# Altium PCB Graviton_11JAN15.PcbDoc (part 5 of 11)
Units mil, origin at the board's own origin, x right, y up, seen from the top; angles counter-clockwise.
Board outline 7874.02 x 7874.02 mil, 10 copper layers (Top Layer, Internal Plane 2, Signal Layer 2, Internal Plane 3, Signal Layer 4, Signal Layer 5, Internal Plane 4, Signal Layer 7, Internal Plane 1, Bottom Layer), stack 78.455 mil thick; 1275 components, 1501 nets, 7937 pads, 1712 vias.
Unrouted connection lines stored in the file: 273.
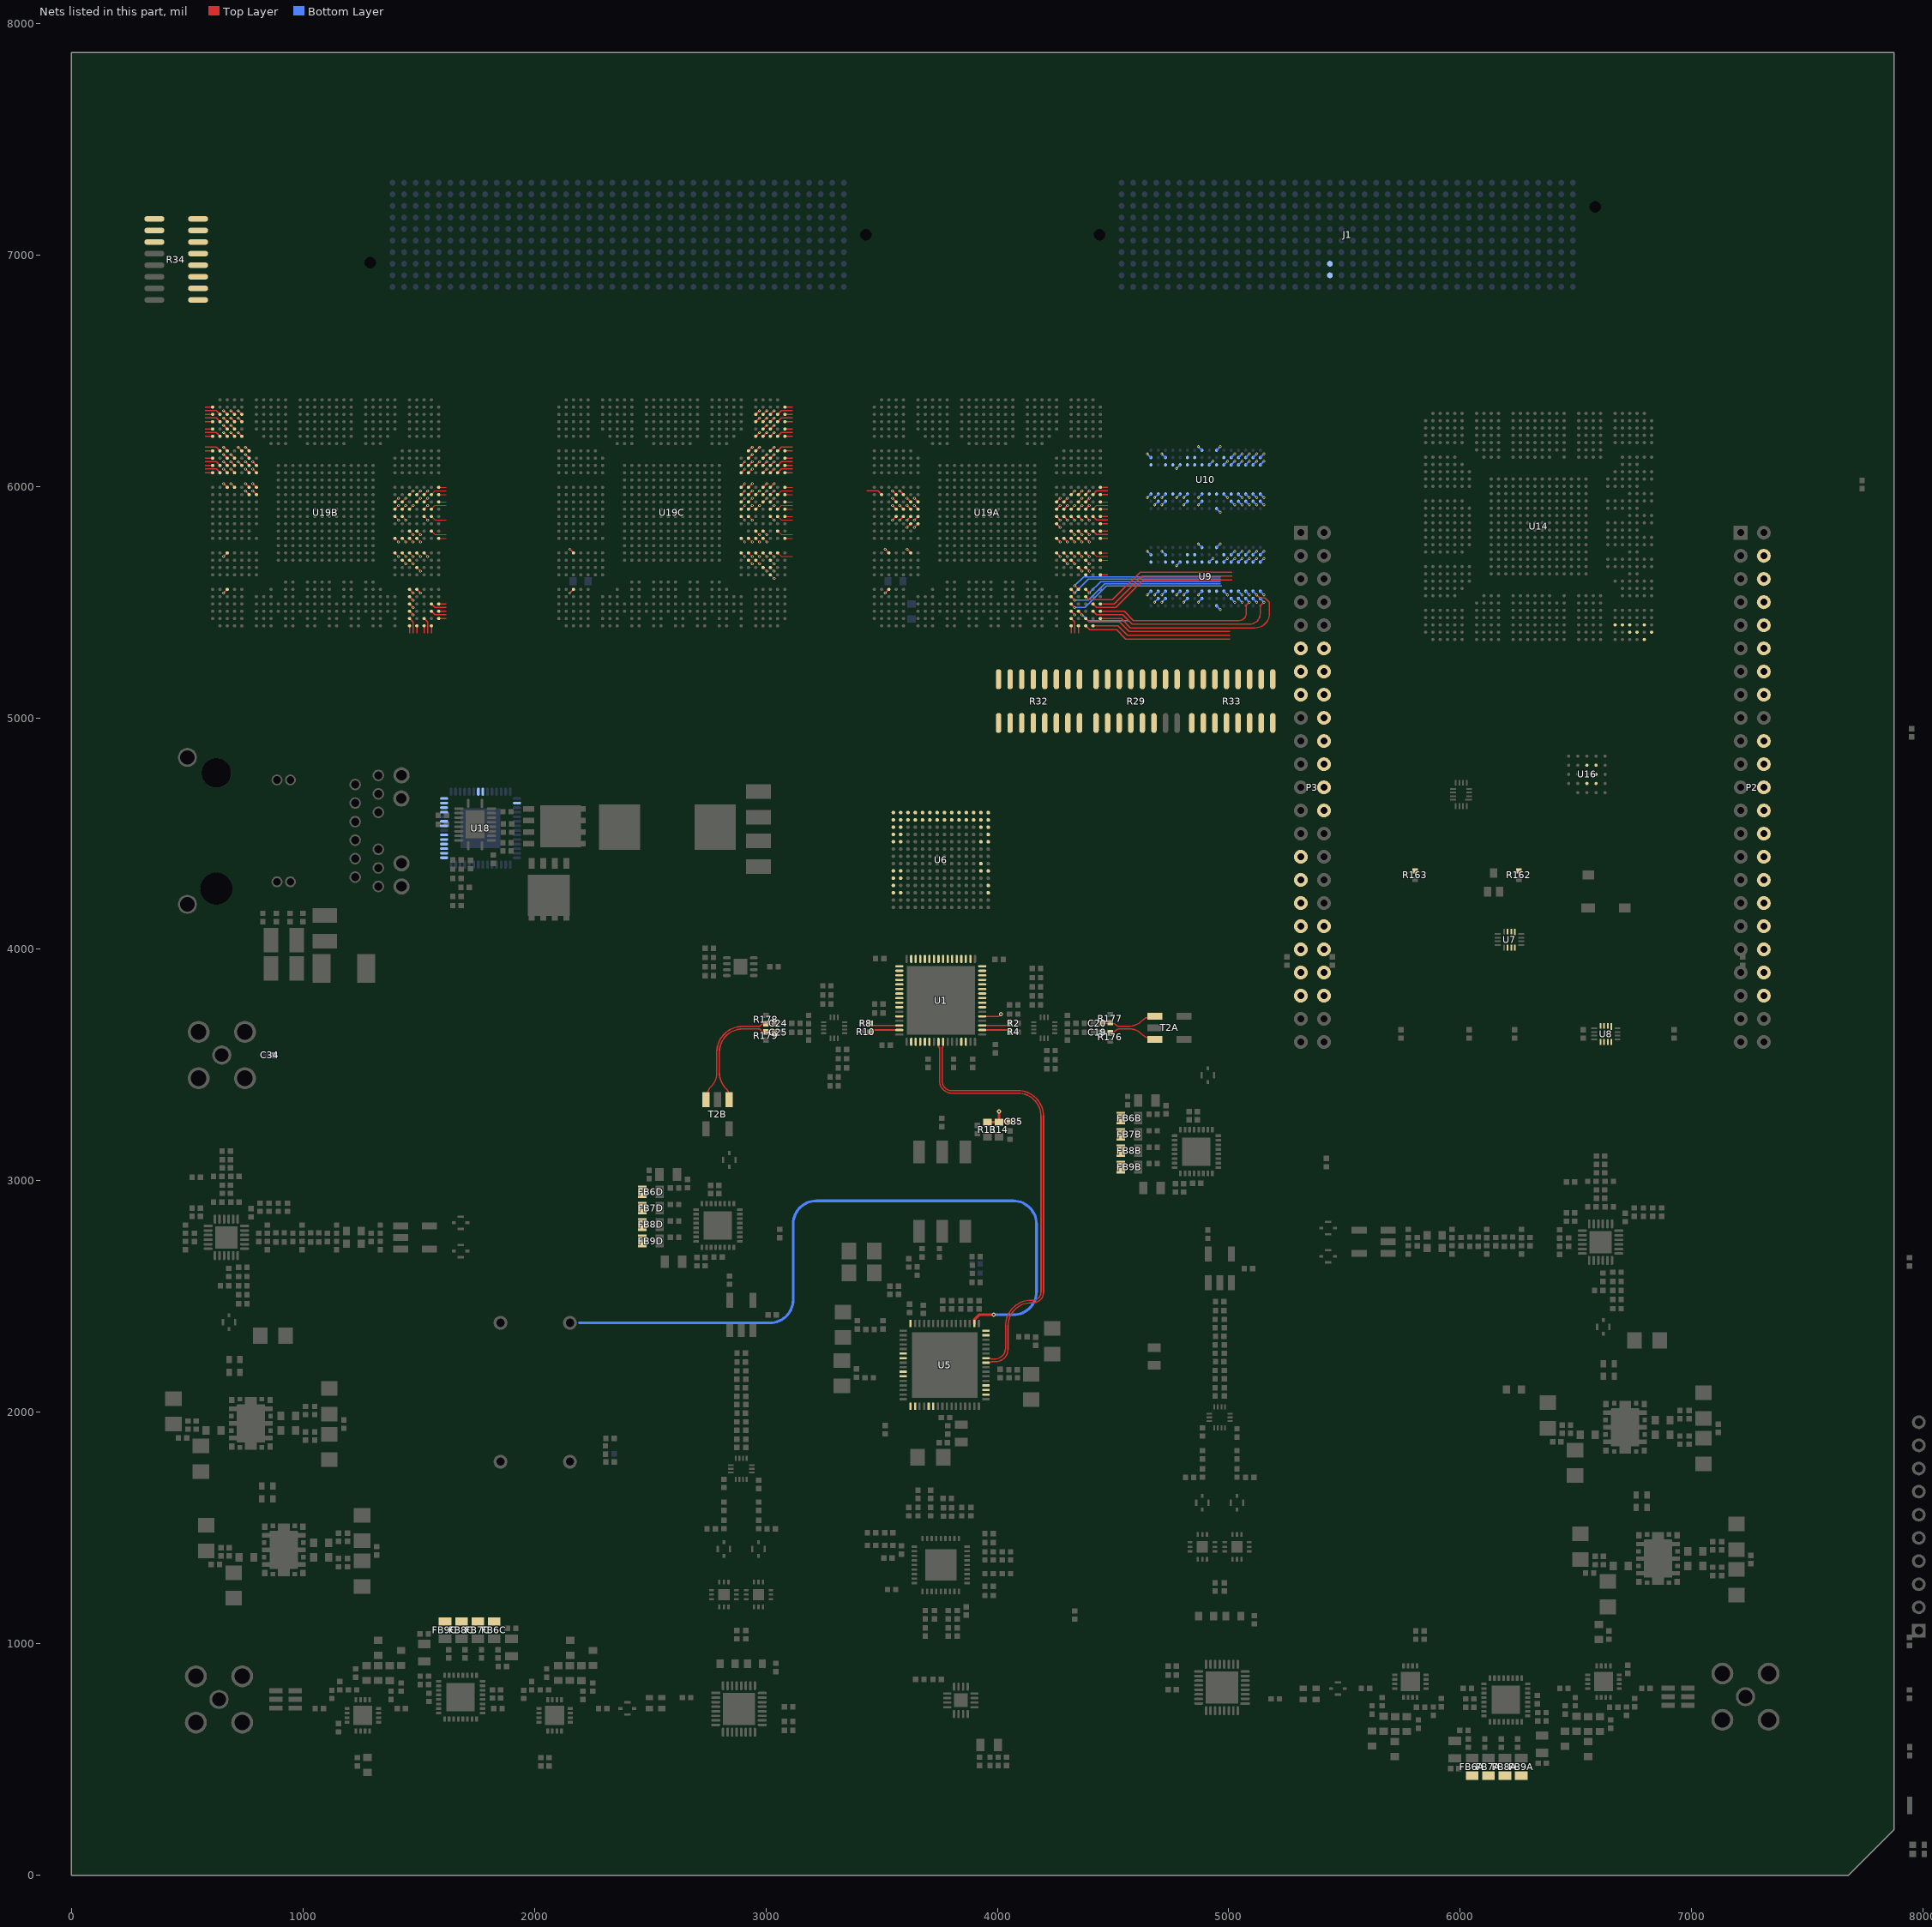
[diagram p12: the nets of this part, all layers, seen from the top]

## Part data
C48 C115 C116 C117 C118 C119 C120 C121 C122 C123 C124 C125 C127 C128 C129 C130 C131 C133 C134 C135 C138 C139 C140 C141 C142 C143 C144 C145 C146 C147 C148 C150 C151 C152 C153 C160 C162 C163 C164 C165 C167 C168 C169 C176 C177 C178 C179 C180 C181 C182 C183 C226A C226B C226C C228A C228B C228C C229A C229B C229C C230A C230B C230C C231A C231B C231C C232A C232B C232C C234A C234B C234C C235A C235B C235C C236A C236B C236C C237A C237B C237C C238A C238B C238C C240A C240B C240C C241A C241B C241C C242A C242B C242C C243A C243B C243C C245A C245B C245C C246A C246B C246C C248A C248B C248C C249A C249B C249C C250A C250B C250C C251A C251B C251C C253A C253B C253C C254A C254B C254C C256A C256B C256C C257A C257B C257C C258A C258B C258C C260A C260B C260C C261A C261B C261C C262A C262B C262C C263A C263B C263C C265A C265B C265C C266A C266B C266C C268A C268B C268C C269A C269B C269C C270A C270B C270C C271A C271B C271C C273A C273B C273C C274A C274B C274C C276A C276B C276C C277A C277B C277C C280A C280B C280C C281A C281B C281C C282A C282B C282C C283A C283B C283C C287A C287B C287C C288A C288B C288C C289A C289B C289C C290A C290B C290C C291A C291B C291C C292A C292B C292C C293A C293B C293C C294A C294B C294C: "CAP CER 0.1UF 10V 10% X7R 0402"
C78: library part CAP, "Ceramic Capacitor 10uF +/-20% 16V X5R 0805"
C126 C132 C149 C155: library part CAP_4.7uF_X5R_6.3V_10%_0603, "CAP CER 10UF 10V Y5V 0805"
C156 C157 C158 C159 C194A C194B C194C C194D C195A C195B C195C C195D C196A C196B C196C C196D C197A C197B C197C C197D C198A C198B C198C C198D C199A C199B C199C C199D C309 C310 C311 C312 C329 C330 C333 C334 C335 C340 C344 C345 C346 C347 C379A C379B C380A C380B C382A C382B C382C C382D C383A C383B C383C C383D C384A C384B C384C C384D C385A C385B C385C C385D C386A C386B C386C C386D C387A C387B C387C C387D C445A C445B C445C C445D C448A C448B C448C C448D C452A C452B C452C C452D: library part CAP, "Ceramic Capacitor SMD"
C161 C166 C173 C174 C175 C227A C227B C227C C233A C233B C233C C239A C239B C239C C244A C244B C244C C247A C247B C247C C252A C252B C252C C255A C255B C255C C259A C259B C259C C264A C264B C264C C267A C267B C267C C272A C272B C272C C275A C275B C275C C284A C284B C284C C285A C285B C285C C286A C286B C286C: "CAP CER 2.2UF 10V 10% X7R 0603"
C321 C322 C323 C331 C332: "CAP 1210 4.7uF 100V X7S"
C324 C325 C326 C327 C336 C337 C338 C341 C342 C343 C355 C356 C357 C358 C359 C360 C361 C362 C369 C370 C371 C372 C373 C374 C375 C376: library part CAP, "Ceramic Capacitor 10uF +/-20% 6.3V X5R 0402"
C328 C364 C365 C378: library part CC0402JRNPO9BN330, "Capacitor 33pF +/-5% 50V NPO SMD 0402"
C354: library part "CAP SMD", "CAP CER 1000PF 16V 10% X7R 0402"
F1 F2 F3 F4 F5 F6 F7: library part "Fuse 1", "Fuse, Nano with holder"
FB1 FB4A FB4B FB4C FB4D FB5A FB5B FB5C FB5D FB6A FB6B FB6C FB6D FB7A FB7B FB7C FB7D FB8A FB8B FB8C FB8D FB9A FB9B FB9C FB9D FB10 FB11A FB11B FB12A FB12B FB12C FB12D: library part INDUCTANCE1, "inductance"
J1 J2: "Terminal Array Assembly, Surface Mount, 0.050\" Pitch, 400 Pins"
J3 J4A J4B: library part 132136, "SMA Right Angle Connector COAX Female"
J5: "Gigabit Ethernet 35W PoE MAGJACK"
L1 L2 L3 L4 L5 L6 L7 L8 L9 L10 L11 L12 L13 L14 L15 L16 L17 L18 L19 L20A L20B L20C L21A L21B L21C L22A L22B L22C L23A L23B L23C L24A L24B L24C L25A L25B L25C L26A L26B L26C L27A L27B L27C L28A L28B L28C L29 L30 L31 L32 L33 L34 L35 L36 L37 L45 L48A L48B L49A L49B L50A L50B L51A L51B L52A L52B L53A L53B L58A L58B L59A L59B L60A L60B L60C L60D L61A L61B L61C L61D L62: "Inductor"
L38 L41 L42 L43 L44: library part COIL, "Wirewound Inductor 1.0uH +/-20% 2.3A SMD 2518"
L39: library part COIL
L46A L46B L46C L46D L47A L47B L47C L47D: library part INDUCTOR, "Inductor Wirewound Air 68nH +/-5% SMD 0402"
L54A L54B L55A L55B L56A L56B L57A L57B: library part INDUCTOR, "Inductor Wirewound Air 91nH +/-2% SMD 0402"
MB1: "Magnetic Buzzer"
P1: "Header, 10-Pin"
P2 P3: library part HDR_46_F_2_0.1_0.1, "CONN HEADER FMAL 46PS.1\" DL GOLD"
Q1 Q2: library part BSC190N15NS3, "MOSFET N-Channel Enhancement Mode"
Q3: "NPN General Purpose Amplifier"
R1 R2 R3 R4 R5 R6 R7 R8 R9 R10 R11 R12 R15 R16 R17 R18 R19 R20 R21 R22 R23 R24 R25 R26 R27 R28 R30 R39 R58A R58B R58C R58D R59A R59B R59C R59D R60 R61 R63 R64 R65 R66 R80 R81 R82 R83 R84 R85 R86 R89 R91 R92 R93 R94 R95 R96 R97 R98 R99 R100 R101 R102 R103 R104 R105 R106 R107 R108 R118 R119 R122 R124 R125 R127 R131A R131B R131C R131D R132A R132B R133A R133B R134A R134B R135A R135B R136A R136B R137A R137B R138A R138B R139A R139B R140A R140B R141A R141B R142A R142B R143 R144A R144B R145A R145B R146A R146B R147A R147B R148A R148B R149A R149B R150A R150B R154A R154B R155A R155B R156A R156B R157 R162 R163 R164 R165 R166A R166B R167A R167B R168A R168B R169A R169B R170A R170B R171A R171B R172A R172B R172C R172D R173A R173B R173C R173D R174A R174B R175A R175B R176 R177 R178 R179 R180A R180B R181A R181B R182A R182B R183A R183B R184A R184B R185A R185B R186A R186B R187A R187B R188 R189 R190 R191 R192 R193 R194 R195_1 R195_2: "Resistor, SMD 0402"
R13 R14 R128A R128B R128C R128D R129A R129B R129C R129D R130A R130B R130C R130D R151A R151B R151C R151D R152A R152B R152C R152D R153A R153B R153C R153D: "Resistor, SMD 0603"
R29 R32 R33 R34: "Isolated Resistor Network"
R31 R35 R38 R109 R110 R111 R112 R120 R121 R158 R159 R160 R161: library part "RES 0402", "Resistor, SMD 0402"
R36 R37 R87 R113: "Resistor, SMD 0805"
R40 R41 R42 R44 R45 R46 R47 R48 R50 R54 R55 R56 R57 R67A R67B R67C R68A R68B R68C R69A R69B R69C R70A R70B R70C R71A R71B R71C R72A R72B R72C R73A R73B R73C R74A R74B R74C R76A R76B R76C R77A R77B R77C: library part "RES 0603 10k 1%", "Thick Film Resistor 4.7k Ohms +/-1% 0.1W 75V SMD 0603"
R43: library part "RES 0603 10k 1%", "Thick Film Resistor 49.9 Ohms +/-1% 0.1W 75V SMD 0603"
R49 R51 R52 R75A R75B R75C R78A R78B R78C R79A R79B R79C: library part "RES 0603 10k 1%", "Thick Film Resistor 0 Ohms SMD 0603"
R53: library part "RES 0603 10k 1%", "Thick Film Resistor 1k Ohms +/-1% 0.1W 75V SMD 0603"
R62: "Resistor, SMD 0402, 4.99K 1%"
R88 R114 R115 R123: library part "RES 0402 100k +/-0.5% +/-25TCR", "Thin Film Chip Resistor 360k Ohms +/-1% 0.063W 25V SMD 0402"
R90 R116 R117 R126: library part "RES 0402 100k +/-0.5% +/-25TCR", "Thin Film Chip Resistor 180k Ohms +/-1% 0.063W 25V SMD 0402"
T1A T1B T2A T2B: "RF Transformer 0.4 to 500MHz SMD"
T3A T3B: "RF Transformer 4-3000KHz 50 ohms"
TP1 TP2 TP3: "Test Point SMD"
TP4A TP4B TP5A TP5B TP6A TP6B TP7A TP7B TP8A TP8B TP9A TP9B TP10A TP10B: "Coaxial Connector Switch"
U1: "Dual-Channel, 16-Bit, 250-MSPS Analog-to-Digital Converter"
U2 U2A U2B U3: "2.8 GHz Ultra Linear Fully Differential Amplifier"
U4: "400mA Ultra-Low Noise Low-Dropout Regulator"
U5: "Low-Noise Clock Jitter Cleaner with Dual Loop PLLs"
U6: "High Speed Quad DAC, 16-bit, 1.25GSPS"
U7 U8 U15: "4-Bit Dual-Supply Bus Transceiver"
U9 U10: library part MT41K256M16HA, "DDR2 SDRAM 2Gb (256Mx8)"
U11A U11B: "Dual Comparator, Push-Pull, Rail-to-Rail, CMOS"
U12A U12B: "GaAs MMIC 3 Watt T/R Switch DC - 3 GHz"
U13 U20: "Ultra Low Jitter 1:4 Differential Clock Buffer"
U14 U19A U19B U19C: "ECP5 FPGA, 85k LUT, 756-caBGA"
U16: "1024Mb, 3.3V Serial Flash Memory LBGA24"
U17A U17B U17C U17D: "Digital Step Attenuaator, 9kHz-6GHz"
U18: "Alaska Intergrated 1000/100/10 Ethernet PHY"
U21: "Ultra Low Noise Frac-N Wideband Freq Synthesizer"
U22 U26 U27 U28 U29: "Tiny 6V input 2A Synchronous Buck w/ Internal Switch and MODE"
U23: "Wide-Voltage 60V Synchronous Buck Controller"
U24: "6V Input 6A Synchronous Buck w/ internal switch"
U25: "DDR Termination Regulator, 3A Sink and Source"
U30A U30B U38A U38B: "Reflectionless Low-Pass Filter, DC-150Mhz"
U31A U31B U31C U31D: library part TPS72748YFF, "Ultralow Noise 30uVrms LDO, Fixed, 4.8V, 200mA"
U32A U32B U32C U32D: "Dual Amplifier, Ultra-Low-Noise, 450-1450MHz"
U33A U33B U36A U36B U36C U36D: "915 MHz SAW Filter"
U34A U34B: "300MHz to 4GHz Quadrature Modulator"
U35A U35B: "Dual Downmixer,  500-3300MHz with IF Amp"
U37A U37B U37C U37D: "1-watt High-Linearity Power Amplifier"
Y1: "Oven Controlled Precision Oscillator, 10MHz"
Y2: "VCXO, Ultra Low Phase Noise, 490MHz"
Y3: "CRYSTAL, 25.000MHz, 30ppm, 6pF"

## Via types
v1: diameter 12, hole 6, Top Layer to Bottom Layer, 1447 vias
v2: diameter 12, hole 6, Top Layer to Bottom Layer, tented top, 148 vias
v3: diameter 25.98, hole 12, Top Layer to Bottom Layer, tented top, 36 vias
v4: diameter 25.98, hole 8, Top Layer to Bottom Layer, tented top, 36 vias
v5: diameter 18, hole 8, Top Layer to Bottom Layer, 25 vias
v6: diameter 23.62, hole 11.81, Top Layer to Bottom Layer, 10 vias
v7: diameter 25, hole 11.81, Top Layer to Bottom Layer, 5 vias
v8: diameter 18, hole 8, Top Layer to Bottom Layer, tented bottom, 5 vias

## Nets (pads, with @x,y where several pads share a name; then routed paths per layer and width w, separated by ;. In a path a pad name is that pad's centre, name@x,y a point inside that pad or via, vN(x,y) a via of type N, cw(c..) or ccw(c..) an arc to the next point about the centre after c; other vN are vias at no path point)
ADC-AMP-A_N: R4.1 U1.34 | length 120.1
  Top Layer w5.98: U1.34@3935.04,3651.57 R4.1@4055.12,3651.57
ADC-AMP-A_P: R2.1 U1.35 | length 120.1
  Top Layer w5.98: U1.35@3935.04,3671.26 R2.1@4055.12,3671.26
ADC-AMP-B_N: R10.1 U1.15 | length 124
  Top Layer w5.98: R10.1@3452.76,3651.57 U1.15@3576.77,3651.57
ADC-AMP-B_P: R8.1 U1.14 | length 124
  Top Layer w5.98: R8.1@3452.76,3671.26 U1.14@3576.77,3671.26
ADC-CLKIN_N: U1.25 U5.25 | length 1920.4
  Top Layer w5.98: U1.25@3765.75,3600.39 3765.75,3579.69 3761.4,3575.33 3761.4,3431.52 ccw(c3803.15,3431.52) 3803.15,3389.76 4088.98,3389.76 cw(c4088.98,3278.78) 4199.96,3278.78 4199.96,2519.69 cw(c4153.54,2519.69) 4153.54,2473.27 4146.42,2473.27 ccw(c4146.42,2373.27) 4046.42,2373.27 4046.42,2272.6 cw(c3992.74,2272.6) 3992.74,2218.92 3974.86,2218.92 3970.51,2214.57 U5.25@3951.77,2214.57
ADC-CLKIN_P: U1.24 U5.26 | length 1901.2
  Top Layer w5.98: U1.24@3746.06,3600.39 3746.06,3579.69 3750.41,3575.33 3750.41,3431.52 ccw(c3803.15,3431.52) 3803.15,3378.78 4088.98,3378.78 cw(c4088.98,3278.78) 4188.98,3278.78 4188.98,2519.69 cw(c4153.54,2519.69) 4153.54,2484.25 4146.42,2484.25 ccw(c4146.42,2373.27) 4035.43,2373.27 4035.43,2277.15 cw(c3988.19,2277.15) 3988.19,2229.9 3974.86,2229.9 3970.51,2234.25 U5.26@3951.77,2234.25
ADC-CTRL-3V3.CTRL1: P2.30 U7.1
ADC-CTRL-3V3.CTRL2: P2.32 U7.2
ADC-CTRL-3V3.RESET: P2.28 U8.4
ADC-CTRL-3V3.SCLK: P2.22 U8.1
ADC-CTRL-3V3.SDATA: P2.24 U8.2
ADC-CTRL-3V3.SDOUT: P2.34 U7.3
ADC-CTRL-3V3.SEN: P2.26 U8.3
ADC-CTRL.CTRL1: U1.37 U7.12 | length 84.8
  Top Layer w5.98: U1.37@3935.04,3710.63 4005.91,3710.63 v5(4015.75,3720.47)
ADC-CTRL.CTRL2: U1.12 U7.11
ADC-CTRL.RESET: U1.22 U8.9
ADC-CTRL.SCLK: U1.18 U8.12
ADC-CTRL.SDATA: U1.19 U8.11
ADC-CTRL.SDOUT: U1.21 U7.10
ADC-CTRL.SEN: U1.20 U8.10
ADC-D0_N: U1.9 U19B.P29 | length 22.3
  Top Layer w2.99: U19B.P29@1492.13,5964.57 v1(1507.87,5980.32)
ADC-D0_P: U1.10 U19B.P28 | length 22.3
  Top Layer w2.99: U19B.P28@1460.63,5964.57 v1(1476.38,5980.32)
ADC-D1_N: U1.7 U19B.T26 | length 22.3
  Top Layer w2.99: U19B.T26@1397.64,5901.57 v1(1413.39,5917.32)
ADC-D1_P: U1.8 U19B.R26 | length 22.3
  Top Layer w2.99: U19B.R26@1397.64,5933.07 v1(1413.39,5948.82)
ADC-D2_N: U1.5 U19B.T27 | length 22.3
  Top Layer w2.99: U19B.T27@1429.13,5901.57 v1(1444.88,5917.32)
ADC-D2_P: U1.6 U19B.R27 | length 22.3
  Top Layer w2.99: U19B.R27@1429.13,5933.07 v1(1444.88,5948.82)
ADC-D3_N: U1.3 U19B.U26 | length 22.3
  Top Layer w2.99: U19B.U26@1397.64,5870.08 v1(1413.39,5854.33)
ADC-D3_P: U1.4 U19B.U27 | length 22.3
  Top Layer w2.99: U19B.U27@1429.13,5870.08 v1(1444.88,5854.33)
ADC-D4_N: U1.1 U19B.T28 | length 22.3
  Top Layer w2.99: U19B.T28@1460.63,5901.57 v1(1476.38,5917.32)
ADC-D4_P: U1.2 U19B.R29 | length 22.3
  Top Layer w2.99: U19B.R29@1492.13,5933.07 v1(1507.87,5948.82)
ADC-D5_N: U1.62 U19B.P30 | length 22.3
  Top Layer w2.99: U19B.P30@1523.62,5964.57 v1(1539.37,5980.32)
ADC-D5_P: U1.63 U19B.P31 | length 70.1
  Top Layer w2.99: U19B.P31@1555.12,5964.57 1570.87,5980.32 1618.7,5980.32
ADC-D6_N: U1.60 U19B.T30 | length 22.3
  Top Layer w2.99: U19B.T30@1523.62,5901.57 v1(1539.37,5917.32)
ADC-D6_P: U1.61 U19B.R30 | length 22.3
  Top Layer w2.99: U19B.R30@1523.62,5933.07 v1(1539.37,5948.82)
ADC-D7_N: U1.58 U19B.P32 | length 32.1
  Top Layer w2.99: U19B.P32@1586.61,5964.57 1618.7,5964.57
ADC-D7_P: U1.59 U19B.N32 | length 32.1
  Top Layer w2.99: U19B.N32@1586.61,5996.06 1618.7,5996.06
ADC-D8_N: U1.39 U19B.U30 | length 22.3
  Top Layer w2.99: U19B.U30@1523.62,5870.08 v1(1539.37,5854.33)
ADC-D8_P: U1.40 U19B.U31 | length 70.1
  Top Layer w2.99: U19B.U31@1555.12,5870.08 1570.87,5854.33 1618.7,5854.33
ADC-D9_N: U1.41 U19B.T31 | length 70.1
  Top Layer w2.99: U19B.T31@1555.12,5901.57 1570.87,5917.32 1618.7,5917.32
ADC-D9_P: U1.42 U19B.R32 | length 32.1
  Top Layer w2.99: U19B.R32@1586.61,5933.07 1618.7,5933.07
ADC-D10_N: U1.43 U19B.Y27 | length 22.3
  Top Layer w2.99: U19B.Y27@1429.13,5775.59 v1(1444.88,5759.84)
ADC-D10_P: U1.44 U19B.Y26 | length 22.3
  Top Layer w2.99: U19B.Y26@1397.64,5775.59 v1(1413.39,5759.84)
ADC-D11_N: U1.45 U19B.W28 | length 22.3
  Top Layer w2.99: U19B.W28@1460.63,5807.09 v1(1476.38,5791.34)
ADC-D11_P: U1.46 U19B.Y28 | length 22.3
  Top Layer w2.99: U19B.Y28@1460.63,5775.59 v1(1476.38,5759.84)
ADC-D12_N: U1.47 U19B.W29 | length 22.3
  Top Layer w2.99: U19B.W29@1492.13,5807.09 v1(1507.87,5791.34)
ADC-D12_P: U1.48 U19B.Y29 | length 22.3
  Top Layer w2.99: U19B.Y29@1492.13,5775.59 v1(1507.87,5759.84)
ADC-D13_N: U1.50 U19B.AC27 | length 22.3
  Top Layer w2.99: U19B.AC27@1429.13,5681.1 v1(1444.88,5665.35)
ADC-D13_P: U1.51 U19B.AB26 | length 22.3
  Top Layer w2.99: U19B.AB26@1397.64,5712.6 v1(1413.39,5696.85)
ADC-D14_N: U1.52 U19B.AB27 | length 22.3
  Top Layer w2.99: U19B.AB27@1429.13,5712.6 v1(1444.88,5696.85)
ADC-D14_P: U1.53 U19B.AB28 | length 22.3
  Top Layer w2.99: U19B.AB28@1460.63,5712.6 v1(1476.38,5696.85)
ADC-D15_N: U1.54 U19B.AB29 | length 22.3
  Top Layer w2.99: U19B.AB29@1492.13,5712.6 v1(1507.87,5696.85)
ADC-D15_P: U1.55 U19B.AB30 | length 22.3
  Top Layer w2.99: U19B.AB30@1523.62,5712.6 v1(1539.37,5696.85)
ADC-DCLK_N: U1.56 U19B.AD29 | length 22.3
  Top Layer w2.99: U19B.AD29@1492.13,5649.61 v1(1507.87,5633.86)
ADC-DCLK_P: U1.57 U19B.AC28 | length 22.3
  Top Layer w2.99: U19B.AC28@1460.63,5681.1 v1(1476.38,5665.35)
ADC-INA_N: C19.1 R176.1 T2A.1 | length 244.9
  Top Layer w5.98: C19.1@4450.98,3641.73 R176.1@4486.42,3641.73 ; R176.1@4488.19,3639.96 ccw(c4488.19,3675.7) 4513.46,3650.43 cw(c4526.73,3637.16) 4526.73,3655.93 4574.04,3655.93 cw(c4574.04,3589.6) 4620.94,3636.5 ccw(c4681.5,3697.06) T2A.1@4681.5,3611.42
ADC-INA_P: C20.1 R177.2 T2A.3 | length 244.9
  Top Layer w5.98: C20.1@4450.98,3681.1 R177.2@4486.42,3681.1 ; R177.2@4488.19,3682.87 cw(c4488.19,3647.14) 4513.46,3672.41 ccw(c4526.73,3685.68) 4526.73,3666.91 4562.99,3666.91 ccw(c4562.99,3759.91) 4628.76,3694.15 cw(c4670.44,3652.46) 4670.44,3711.42 T2A.3@4681.5,3711.42
ADC-INB_N: C24.1 R178.1 T2B.1 | length 537
  Top Layer w5.98: T2B.1@2741.34,3350 cw(c2826.98,3350) 2766.42,3410.56 ccw(c2713.77,3463.2) 2788.23,3463.2 2788.23,3555.93 cw(c2899.21,3555.93) 2899.21,3666.91 2973.17,3666.91 2985.2,3678.94 R178.1@3000,3678.94 cw(c3002.17,3678.94) 3002.17,3681.1 C24.1@3037.2,3681.1
ADC-INB_P: C25.1 R179.2 T2B.3 | length 518.5
  Top Layer w5.98: T2B.3@2841.34,3350 2841.34,3367.32 ccw(c2797.51,3367.32) 2828.5,3398.31 cw(c2899.21,3469.02) 2799.21,3469.02 2799.21,3555.93 cw(c2899.21,3555.93) 2899.21,3655.93 2973.17,3655.93 2985.2,3643.9 R179.2@3000,3643.9 ccw(c3002.17,3643.9) 3002.17,3641.73 C25.1@3037.2,3641.73
ADC-SYNC_N: U1.30 U19B.Y32 | length 32.1
  Top Layer w2.99: U19B.Y32@1586.61,5775.59 1618.7,5775.59
ADC-SYNC_P: U1.29 U19B.W31 | length 70.1
  Top Layer w2.99: U19B.W31@1555.12,5807.09 1570.87,5791.34 1618.7,5791.34
AIN0-EXT: P3.39
AIN1-EXT: P3.40
AIN2-EXT: P3.37
AIN3-EXT: P3.38
AIN4-EXT: P3.33
AIN5-EXT: P3.36
AIN6-EXT: P3.35
ALARM: P2.8 U6.N12
BANK3-DDRCTRL.CASN: R29.5 U9.K3 U10.K3 U19A.W30 | length 22.3
  Top Layer w5: U19A.W30@4381.89,5807.09 v1(4397.64,5791.34)
BANK3-DDRCTRL.CKE: R29.8 U9.K9 U10.K9 U19A.U28 | length 22.3
  Top Layer w5: U19A.U28@4318.9,5870.08 v1(4334.65,5854.33)
  other v2: 4963,5468.25 4963,5888.25
BANK3-DDRCTRL.CLK_N: R29.2 U9.K7 U10.K7 U19A.AC32 | length 32.1
  Top Layer w2.99: U19A.AC32@4444.88,5681.1 4476.97,5681.1
BANK3-DDRCTRL.CLK_P: R29.1 U9.J7 U10.J7 U19A.AB32 | length 32.1
  Top Layer w2.99: U19A.AB32@4444.88,5712.6 4476.97,5712.6
BANK3-DDRCTRL.CSN: R29.3 U9.L2 U10.L2 U19A.U29 | length 22.3
  Top Layer w5: U19A.U29@4350.39,5870.08 v1(4366.14,5854.33)
BANK3-DDRCTRL.ODT: R29.7 U9.K1 U10.K1 U19A.V26 | length 22.3
  Top Layer w5: U19A.V26@4255.91,5838.58 v1(4271.65,5822.83)
  other v2: 4963,5751.75 4963,6171.75
BANK3-DDRCTRL.RASN: R29.4 U9.J3 U10.J3 U19A.Y30 | length 22.3
  Top Layer w5: U19A.Y30@4381.89,5775.59 v1(4397.64,5759.84)
  other v2: 4931.5,5688.75 4931.5,6108.75
BANK3-DDRCTRL.RSTN: R31.2 U9.T2 U10.T2 U19A.T29 | length 22.3
  Top Layer w5: U19A.T29@4350.39,5901.57 v1(4366.14,5917.32)
  other v2: 5152,5720.25 5152,6140.25
BANK3-DDRCTRL.WEN: R29.6 U9.L3 U10.L3 U19A.AE32 | length 32.1
  Top Layer w4.72: U19A.AE32@4444.88,5618.11 4476.97,5618.11
  other v2: 4994.5,5688.75 4994.5,6108.75
BANK3-DQS32.DQM0: U10.E7 U19A.T32 | length 32.1
  Top Layer w4.72: U19A.T32@4444.88,5901.57 4476.97,5901.57
  other v2: 4774,5951.25
BANK3-DQS32.DQM1: U10.D3 U19A.U32 | length 32.1
  Top Layer w4.72: U19A.U32@4444.88,5870.08 4476.97,5870.08
BANK3-DQS32.DQM2: U9.E7 U19A.V32 | length 32.1
  Top Layer w4.72: U19A.V32@4444.88,5838.58 4476.97,5838.58
  other v2: 4774,5531.25
BANK3-DQS32.DQM3: U9.D3 U19A.W32 | length 32.1
  Top Layer w4.72: U19A.W32@4444.88,5807.09 4476.97,5807.09
BANK3-DQS32.DQS0_N: U10.G3 U19A.T28 | length 22.3
  Top Layer w2.99: U19A.T28@4318.9,5901.57 v1(4334.65,5917.32)
BANK3-DQS32.DQS0_P: U10.F3 U19A.R29 | length 22.3
  Top Layer w2.99: U19A.R29@4350.39,5933.07 v1(4366.14,5948.82)
BANK3-DQS32.DQS1_N: U10.B7 U19A.T31 | length 70.1
  Top Layer w2.99: U19A.T31@4413.39,5901.57 4429.13,5917.32 4476.97,5917.32
  other v2: 4679.5,5951.25
BANK3-DQS32.DQS1_P: U10.C7 U19A.R32 | length 32.1
  Top Layer w2.99: U19A.R32@4444.88,5933.07 4476.97,5933.07
  other v2: 4711,5951.25
BANK3-DQS32.DQS2_N: U9.G3 U19A.AB27 | length 22.3
  Top Layer w2.99: U19A.AB27@4287.4,5712.6 v1(4303.15,5696.85)
BANK3-DQS32.DQS2_P: U9.F3 U19A.AB28 | length 22.3
  Top Layer w2.99: U19A.AB28@4318.9,5712.6 v1(4334.65,5696.85)
BANK3-DQS32.DQS3_N: U9.B7 U19A.AB31 | length 70.1
  Top Layer w2.99: U19A.AB31@4413.39,5712.6 4429.13,5696.85 4476.97,5696.85
  other v2: 4679.5,5531.25
BANK3-DQS32.DQS3_P: U9.C7 U19A.AC30 | length 22.3
  Top Layer w2.99: U19A.AC30@4381.89,5681.1 v1(4397.64,5665.35)
  other v2: 4711,5531.25
BBBGPIO0-30: P3.11
BBBGPIO0-31: P3.13
BBBGPIO1-16: P3.15
BBBGPIO2-11: P2.42
BBBGPIO2-13: P2.40
BBBGPIO2-15: P2.38
BBBGPIO3-14: P3.31
BBBGPIO3-15: P3.29
BBBGPIO3-18: P3.42
BUZZER: R163.2 U19A.AB6 | length 22.3
  Top Layer w5: v1(3610.24,5728.35) U19A.AB6@3625.98,5712.6
BUZZER-MCU: P2.36 R162.2
CFG_CS1N: R45.1 U14.AH3
CFG_CSN: R44.1 U14.AG3
CFG_SPI_DQ0: R54.1 U14.AK2 U16.D3
CFG_SPI_DQ1: R55.1 U14.AJ2 U16.D2
CFG_SPI_DQ2: R56.1 U14.AM2 U16.C4
CFG_SPI_DQ3: R57.1 U14.AL1 U16.D4
CFG_SPI_SN: U14.AJ3 U16.C2
CFG_WRITEN: R46.1 U14.AL3
CLIENT-CLK_N: J1.218 U5.54
CLIENT-CLK_P: J1.219 U5.55